# Altium PCB ESP32_Demo.PcbDoc (part 6 of 7) (continued)
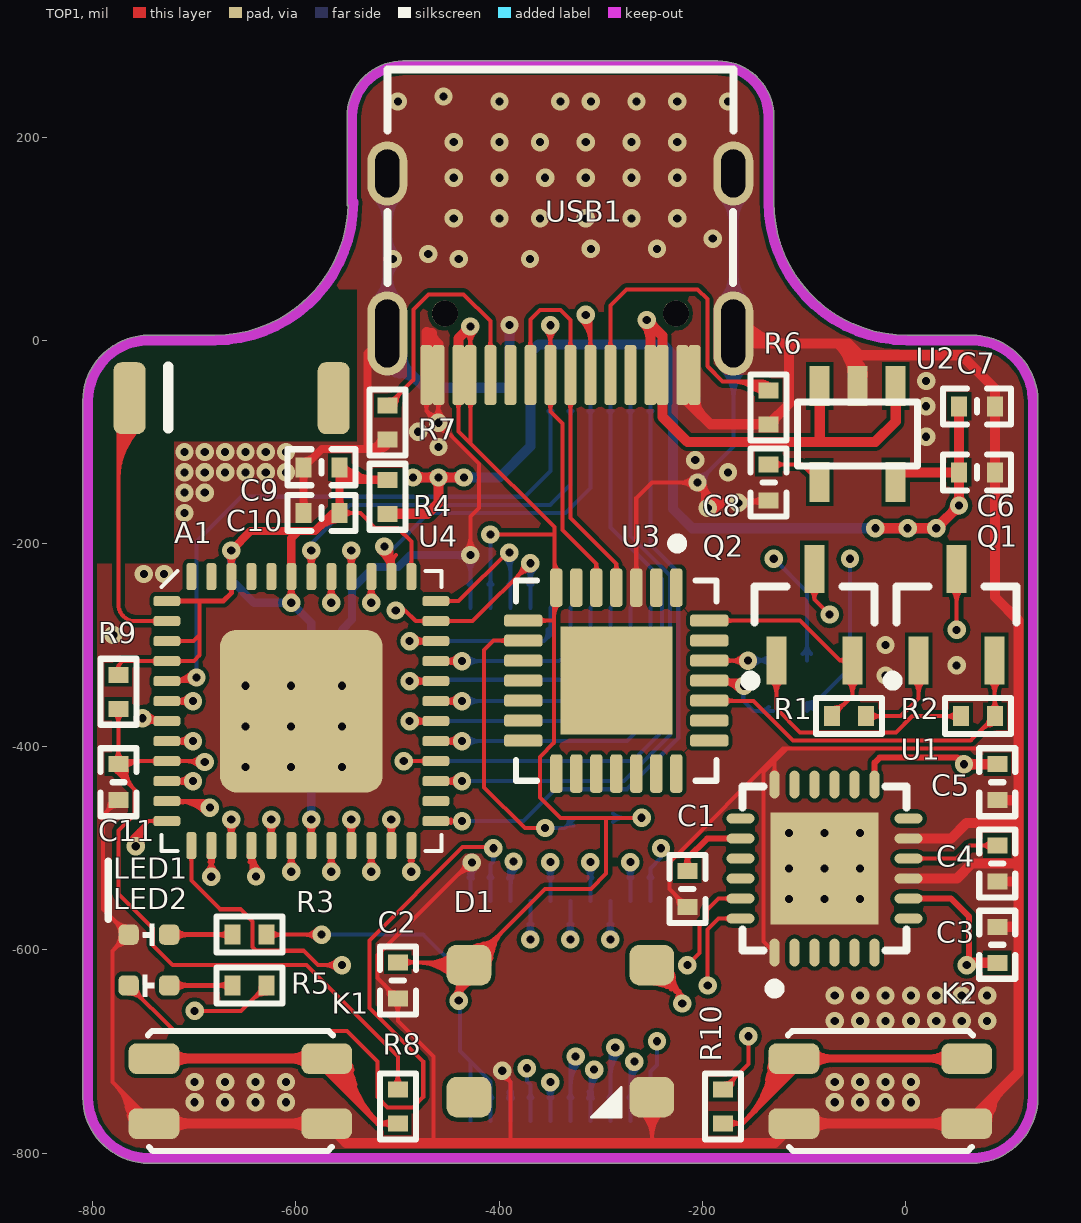
[diagram p0: TOP1 view]
## Nets (pads, with @x,y where several pads share a name; then routed paths per layer and width w, separated by ;. In a path a pad name is that pad's centre, name@x,y a point inside that pad or via, vN(x,y) a via of type N, cw(c..) or ccw(c..) an arc to the next point about the centre after c; other vN are vias at no path point) (continued)
  TOP1 w10: K1.4@-739.77,-707 K1.2@-569.77,-707 ; K1.4@-722.7,-714.07 cw(c-705.63,-731.14) -705.63,-707 ; K1.4@-722.7,-714.07 cw(c-705.63,-731.14) -705.63,-707 ; K1.4@-722.7,-714.07 cw(c-705.63,-731.14) -705.63,-707 ; K1.4@-722.7,-699.93 ccw(c-705.63,-682.86) -705.63,-707 ; K1.4@-722.7,-699.93 ccw(c-705.63,-682.86) -705.63,-707 ; K1.4@-722.7,-699.93 ccw(c-705.63,-682.86) -705.63,-707 ; -603.91,-707 cw(c-603.91,-731.14) K1.2@-586.84,-714.07 ; -603.91,-707 ccw(c-603.91,-682.86) K1.2@-586.84,-699.93 ; -603.91,-707 cw(c-603.91,-731.14) K1.2@-586.84,-714.07 ; -603.91,-707 ccw(c-603.91,-682.86) K1.2@-586.84,-699.93 ; -603.91,-707 cw(c-603.91,-731.14) K1.2@-586.84,-714.07 ; -603.91,-707 ccw(c-603.91,-682.86) K1.2@-586.84,-699.93
NetK2_2: K2.2 K2.4 R10.1 | length 1849
  TOP1 w5: R10.1@-179.77,-770.75 -160.52,-770.75 -109.77,-720 K2.4@-109.77,-707 ; K2.4@-131.7,-710.73 cw(c-140.59,-713.51) -133.47,-719.51 cw(c-128.65,-723.57) K2.4@-125.67,-718.02 ; R10.1@-174,-774.55 cw(c-164.83,-783.73) -164.83,-770.75 ; R10.1@-174,-774.55 cw(c-164.83,-783.73) -164.83,-770.75 ; R10.1@-174,-774.55 cw(c-164.83,-783.73) -164.83,-770.75 ; R10.1@-174,-774.55 cw(c-164.83,-783.73) -164.83,-770.75 ; R10.1@-174,-774.55 cw(c-164.83,-783.73) -164.83,-770.75 ; R10.1@-174,-774.55 cw(c-164.83,-783.73) -164.83,-770.75 ; R10.1@-174,-766.95 ccw(c-164.83,-757.78) -164.83,-770.75 ; R10.1@-174,-766.95 ccw(c-164.83,-757.78) -164.83,-770.75 ; R10.1@-174,-766.95 ccw(c-164.83,-757.78) -164.83,-770.75 ; R10.1@-174,-766.95 ccw(c-164.83,-757.78) -164.83,-770.75 ; R10.1@-174,-766.95 ccw(c-164.83,-757.78) -164.83,-770.75 ; R10.1@-174,-766.95 ccw(c-164.83,-757.78) -164.83,-770.75 ; -157.37,-767.6 ccw(c-217.98,-707) K2.4@-132.27,-707 ; -157.37,-767.6 ccw(c-217.98,-707) K2.4@-132.27,-707 ; -157.37,-767.6 ccw(c-217.98,-707) K2.4@-132.27,-707 ; -148.84,-759.07 ccw(c-200.91,-707) K2.4@-127.27,-707 ; -148.84,-759.07 ccw(c-200.91,-707) K2.4@-127.27,-707 ; -148.84,-759.07 ccw(c-200.91,-707) K2.4@-127.27,-707 ; -140.3,-750.53 ccw(c-183.83,-707) K2.4@-122.27,-707 ; -140.3,-750.53 ccw(c-183.83,-707) K2.4@-122.27,-707 ; -140.3,-750.53 ccw(c-183.83,-707) K2.4@-122.27,-707 ; -136.04,-728.15 cw(c-100.62,-734.46) K2.4@-121.2,-704.95 ; -136.04,-728.15 cw(c-100.62,-734.46) K2.4@-121.2,-704.95 ; -136.04,-728.15 cw(c-100.62,-734.46) K2.4@-121.2,-704.95 ; K2.4@-133.92,-716.27 cw(c-110.38,-720.46) K2.4@-124.06,-700.85 ; K2.4@-133.92,-716.27 cw(c-110.38,-720.46) K2.4@-124.06,-700.85 ; K2.4@-133.92,-716.27 cw(c-110.38,-720.46) K2.4@-124.06,-700.85 ; -131.81,-728.76 cw(c-101.37,-735.11) K2.4@-118.4,-709.09 ; -131.81,-728.76 cw(c-101.37,-735.11) K2.4@-118.4,-709.09 ; -131.81,-728.76 cw(c-101.37,-735.11) K2.4@-118.4,-709.09 ; -131.77,-742 ccw(c-166.76,-707) K2.4@-117.27,-707 ; -131.77,-742 ccw(c-166.76,-707) K2.4@-117.27,-707 ; -131.77,-742 ccw(c-166.76,-707) K2.4@-117.27,-707 ; K2.4@-130.5,-713.41 cw(c-149.31,-724.64) -128.07,-729.99 ; K2.4@-130.5,-713.41 cw(c-149.31,-724.64) -128.07,-729.99 ; K2.4@-130.5,-713.41 cw(c-149.31,-724.64) -128.07,-729.99 ; -127.85,-729.12 cw(c-103.51,-735.26) K2.4@-116.03,-713.5 ; -127.85,-729.12 cw(c-103.51,-735.26) K2.4@-116.03,-713.5 ; -127.85,-729.12 cw(c-103.51,-735.26) K2.4@-116.03,-713.5 ; K2.4@-126.7,-717.4 cw(c-131.94,-725.26) -122.82,-727.7 ; K2.4@-126.7,-717.4 cw(c-131.94,-725.26) -122.82,-727.7 ; K2.4@-126.7,-717.4 cw(c-131.94,-725.26) -122.82,-727.7 ; -123.23,-733.46 ccw(c-149.69,-707) K2.4@-112.27,-707 ; -123.23,-733.46 ccw(c-149.69,-707) K2.4@-112.27,-707 ; -123.23,-733.46 ccw(c-149.69,-707) K2.4@-112.27,-707 ; -122.82,-727.7 cw(c-109.33,-731.32) K2.4@-114.84,-718.49 ; -122.82,-727.7 cw(c-109.33,-731.32) K2.4@-114.84,-718.49 ; -122.82,-727.7 cw(c-109.33,-731.32) K2.4@-114.84,-718.49 ; -114.7,-724.92 ccw(c-132.62,-707) K2.4@-107.27,-707 ; -114.7,-724.92 ccw(c-132.62,-707) K2.4@-107.27,-707 ; -114.7,-724.92 ccw(c-132.62,-707) K2.4@-107.27,-707
  TOP1 w8: K2.4@-109.77,-707 K2.2@60.23,-707 ; K2.4@-91.99,-714.78 cw(c-73.22,-733.56) -73.22,-707 ; K2.4@-91.99,-714.78 cw(c-73.22,-733.56) -73.22,-707 ; K2.4@-91.99,-714.78 cw(c-73.22,-733.56) -73.22,-707 ; K2.4@-91.99,-699.22 ccw(c-73.22,-680.44) -73.22,-707 ; K2.4@-91.99,-699.22 ccw(c-73.22,-680.44) -73.22,-707 ; K2.4@-91.99,-699.22 ccw(c-73.22,-680.44) -73.22,-707 ; 23.67,-707 cw(c23.67,-733.56) K2.2@42.45,-714.78 ; 23.67,-707 ccw(c23.67,-680.44) K2.2@42.45,-699.22 ; 23.67,-707 cw(c23.67,-733.56) K2.2@42.45,-714.78 ; 23.67,-707 ccw(c23.67,-680.44) K2.2@42.45,-699.22 ; 23.67,-707 cw(c23.67,-733.56) K2.2@42.45,-714.78 ; 23.67,-707 ccw(c23.67,-680.44) K2.2@42.45,-699.22
NetLED1_1: LED1.1 R3.1 | length 355.2
  TOP1 w5: LED1.1@-724.77,-585 R3.1@-662.49,-585 ; LED1.1@-719.47,-590.3 cw(c-706.67,-603.11) -706.67,-585 ; LED1.1@-719.47,-590.3 cw(c-706.67,-603.11) -706.67,-585 ; LED1.1@-719.47,-590.3 cw(c-706.67,-603.11) -706.67,-585 ; LED1.1@-719.47,-590.3 cw(c-706.67,-603.11) -706.67,-585 ; LED1.1@-719.47,-590.3 cw(c-706.67,-603.11) -706.67,-585 ; LED1.1@-719.47,-590.3 cw(c-706.67,-603.11) -706.67,-585 ; LED1.1@-719.47,-579.7 ccw(c-706.67,-566.89) -706.67,-585 ; LED1.1@-719.47,-579.7 ccw(c-706.67,-566.89) -706.67,-585 ; LED1.1@-719.47,-579.7 ccw(c-706.67,-566.89) -706.67,-585 ; LED1.1@-719.47,-579.7 ccw(c-706.67,-566.89) -706.67,-585 ; LED1.1@-719.47,-579.7 ccw(c-706.67,-566.89) -706.67,-585 ; LED1.1@-719.47,-579.7 ccw(c-706.67,-566.89) -706.67,-585 ; -675.47,-585 cw(c-675.47,-597.98) R3.1@-666.29,-588.8 ; -675.45,-585 ccw(c-675.45,-572.04) R3.1@-666.29,-581.2 ; -675.47,-585 cw(c-675.47,-597.98) R3.1@-666.29,-588.8 ; -675.45,-585 ccw(c-675.45,-572.04) R3.1@-666.29,-581.2 ; -675.47,-585 cw(c-675.47,-597.98) R3.1@-666.29,-588.8 ; -675.45,-585 ccw(c-675.45,-572.04) R3.1@-666.29,-581.2 ; -675.47,-585 cw(c-675.47,-597.98) R3.1@-666.29,-588.8 ; -675.45,-585 ccw(c-675.45,-572.04) R3.1@-666.29,-581.2 ; -675.47,-585 cw(c-675.47,-597.98) R3.1@-666.29,-588.8 ; -675.45,-585 ccw(c-675.45,-572.04) R3.1@-666.29,-581.2 ; -675.45,-585 ccw(c-675.45,-572.04) R3.1@-666.29,-581.2 ; -675.47,-585 cw(c-675.47,-597.98) R3.1@-666.29,-588.8
NetLED2_2: LED2.2 R5.2 | length 269.9
  TOP1 w5: LED2.2@-724.77,-635 R5.2@-662.49,-635 ; LED2.2@-719.47,-640.3 cw(c-706.67,-653.11) -706.67,-635 ; LED2.2@-719.47,-640.3 cw(c-706.67,-653.11) -706.67,-635 ; LED2.2@-719.47,-640.3 cw(c-706.67,-653.11) -706.67,-635 ; LED2.2@-719.47,-629.7 ccw(c-706.67,-616.89) -706.67,-635 ; LED2.2@-719.47,-629.7 ccw(c-706.67,-616.89) -706.67,-635 ; LED2.2@-719.47,-629.7 ccw(c-706.67,-616.89) -706.67,-635 ; -675.45,-635 cw(c-675.45,-647.96) R5.2@-666.29,-638.8 ; -675.47,-635 ccw(c-675.47,-622.02) R5.2@-666.29,-631.2 ; -675.45,-635 cw(c-675.45,-647.96) R5.2@-666.29,-638.8 ; -675.47,-635 ccw(c-675.47,-622.02) R5.2@-666.29,-631.2 ; -675.45,-635 cw(c-675.45,-647.96) R5.2@-666.29,-638.8 ; -675.47,-635 ccw(c-675.47,-622.02) R5.2@-666.29,-631.2 ; -675.45,-635 cw(c-675.45,-647.96) R5.2@-666.29,-638.8 ; -675.47,-635 ccw(c-675.47,-622.02) R5.2@-666.29,-631.2 ; -675.45,-635 cw(c-675.45,-647.96) R5.2@-666.29,-638.8 ; -675.47,-635 ccw(c-675.47,-622.02) R5.2@-666.29,-631.2 ; -675.47,-635 ccw(c-675.47,-622.02) R5.2@-666.29,-631.2 ; -675.45,-635 cw(c-675.45,-647.96) R5.2@-666.29,-638.8
NetQ1_1: Q1.1 R1.1 | length 319.4
  TOP1 w4: R1.1@-39.02,-370 -4.77,-370 12.83,-352.4 Q1.1@12.83,-315 ; R1.1@-34.87,-374.15 cw(c-24.84,-384.18) -24.84,-370 ; R1.1@-34.87,-374.15 cw(c-24.84,-384.18) -24.84,-370 ; R1.1@-34.87,-374.15 cw(c-24.84,-384.18) -24.84,-370 ; R1.1@-34.87,-374.15 cw(c-24.84,-384.18) -24.84,-370 ; R1.1@-34.87,-374.15 cw(c-24.84,-384.18) -24.84,-370 ; R1.1@-34.87,-374.15 cw(c-24.84,-384.18) -24.84,-370 ; R1.1@-34.87,-365.84 ccw(c-24.84,-355.82) -24.84,-370 ; R1.1@-34.87,-365.84 ccw(c-24.84,-355.82) -24.84,-370 ; R1.1@-34.87,-365.84 ccw(c-24.84,-355.82) -24.84,-370 ; R1.1@-34.87,-365.84 ccw(c-24.84,-355.82) -24.84,-370 ; R1.1@-34.87,-365.84 ccw(c-24.84,-355.82) -24.84,-370 ; R1.1@-34.87,-365.84 ccw(c-24.84,-355.82) -24.84,-370 ; Q1.1@7.28,-334.32 cw(c-6.11,-347.71) 12.83,-347.71 ; Q1.1@7.28,-334.32 cw(c-6.11,-347.71) 12.83,-347.71 ; Q1.1@7.28,-334.32 cw(c-6.11,-347.71) 12.83,-347.71 ; 12.83,-347.71 cw(c31.76,-347.71) Q1.1@18.37,-334.32 ; 12.83,-347.71 cw(c31.76,-347.71) Q1.1@18.37,-334.32 ; 12.83,-347.71 cw(c31.76,-347.71) Q1.1@18.37,-334.32
NetQ2_1: Q2.1 R2.1 | length 557.5
  TOP1 w4: Q2.1@-127.17,-315 -127.17,-362.6 -103.93,-385.84 -9.3,-385.84 6.54,-370 R2.1@54.48,-370 ; Q2.1@-132.72,-334.32 cw(c-146.11,-347.71) -127.17,-347.71 ; Q2.1@-132.72,-334.32 cw(c-146.11,-347.71) -127.17,-347.71 ; Q2.1@-132.72,-334.32 cw(c-146.11,-347.71) -127.17,-347.71 ; Q2.1@-132.72,-334.32 cw(c-146.11,-347.71) -127.17,-347.71 ; Q2.1@-132.72,-334.32 cw(c-146.11,-347.71) -127.17,-347.71 ; Q2.1@-132.72,-334.32 cw(c-146.11,-347.71) -127.17,-347.71 ; -127.17,-347.71 cw(c-108.24,-347.71) Q2.1@-121.63,-334.32 ; -127.17,-347.71 cw(c-108.24,-347.71) Q2.1@-121.63,-334.32 ; -127.17,-347.71 cw(c-108.24,-347.71) Q2.1@-121.63,-334.32 ; -127.17,-347.71 cw(c-108.24,-347.71) Q2.1@-121.63,-334.32 ; -127.17,-347.71 cw(c-108.24,-347.71) Q2.1@-121.63,-334.32 ; -127.17,-347.71 cw(c-108.24,-347.71) Q2.1@-121.63,-334.32 ; 40.3,-370 cw(c40.3,-384.18) R2.1@50.32,-374.16 ; 40.3,-370 ccw(c40.3,-355.82) R2.1@50.32,-365.85 ; 40.3,-370 cw(c40.3,-384.18) R2.1@50.32,-374.16 ; 40.3,-370 ccw(c40.3,-355.82) R2.1@50.32,-365.85 ; 40.3,-370 cw(c40.3,-384.18) R2.1@50.32,-374.16 ; 40.3,-370 ccw(c40.3,-355.82) R2.1@50.32,-365.85 ; 40.3,-370 cw(c40.3,-384.18) R2.1@50.32,-374.16 ; 40.3,-370 ccw(c40.3,-355.82) R2.1@50.32,-365.85 ; 40.3,-370 cw(c40.3,-384.18) R2.1@50.32,-374.16 ; 40.3,-370 ccw(c40.3,-355.82) R2.1@50.32,-365.85 ; 40.3,-370 ccw(c40.3,-355.82) R2.1@50.32,-365.85 ; 40.3,-370 cw(c40.3,-384.18) R2.1@50.32,-374.16
NetR6_1: R6.1 USB1.A5 | length 934.6
  TOP1 w4: USB1.A5@-290.56,-34.21 -290.56,34.21 -274.77,50 -204.77,50 -195.18,40.41 -195.18,-25.56 -180.14,-40.61 -143.42,-40.61 ; -145.64,-44.11 cw(c-144.77,-58.32) R6.1@-135.34,-47.66 ; R6.1@-134.78,-49.25 -143.42,-40.61 ; USB1.A5@-293.32,-7.83 ccw(c-299.99,-1.16) -290.56,-1.16 ; USB1.A5@-293.32,-7.83 ccw(c-299.99,-1.16) -290.56,-1.16 ; USB1.A5@-293.32,-7.83 ccw(c-299.99,-1.16) -290.56,-1.16 ; USB1.A5@-293.32,-7.83 ccw(c-299.99,-1.16) -290.56,-1.16 ; USB1.A5@-293.32,-7.83 ccw(c-299.99,-1.16) -290.56,-1.16 ; USB1.A5@-293.32,-7.83 ccw(c-299.99,-1.16) -290.56,-1.16 ; -290.56,-1.16 ccw(c-281.13,-1.16) USB1.A5@-287.8,-7.83 ; -290.56,-1.16 ccw(c-281.13,-1.16) USB1.A5@-287.8,-7.83 ; -290.56,-1.16 ccw(c-281.13,-1.16) USB1.A5@-287.8,-7.83 ; -290.56,-1.16 ccw(c-281.13,-1.16) USB1.A5@-287.8,-7.83 ; -290.56,-1.16 ccw(c-281.13,-1.16) USB1.A5@-287.8,-7.83 ; -290.56,-1.16 ccw(c-281.13,-1.16) USB1.A5@-287.8,-7.83 ; -171.79,-40.61 cw(c-171.79,-84.3) R6.1@-140.9,-53.4 ; -171.79,-40.61 cw(c-171.79,-84.3) R6.1@-140.9,-53.4 ; -171.79,-40.61 cw(c-171.79,-84.3) R6.1@-140.9,-53.4 ; -162.13,-40.61 cw(c-162.13,-74.64) R6.1@-138.07,-50.57 ; -162.13,-40.61 cw(c-162.13,-74.64) R6.1@-138.07,-50.57 ; -162.13,-40.61 cw(c-162.13,-74.64) R6.1@-138.07,-50.57 ; -153.04,-45.28 ccw(c-147.14,-36.47) R6.1@-140.45,-44.69 ; -153.04,-45.28 ccw(c-147.14,-36.47) R6.1@-140.45,-44.69 ; -153.04,-45.28 ccw(c-147.14,-36.47) R6.1@-140.45,-44.69 ; -152.48,-40.61 cw(c-152.48,-64.98) R6.1@-135.24,-47.75 ; -152.48,-40.61 cw(c-152.48,-64.98) R6.1@-135.24,-47.75 ; -152.48,-40.61 cw(c-152.48,-64.98) R6.1@-135.24,-47.75 ; -152.42,-42.29 ccw(c-143.97,-27.66) R6.1@-138.61,-43.68 ; -152.42,-42.29 ccw(c-143.97,-27.66) R6.1@-138.61,-43.68 ; -152.42,-42.29 ccw(c-143.97,-27.66) R6.1@-138.61,-43.68 ; -148.54,-48.29 ccw(c-143.57,-40.86) R6.1@-137.93,-47.79 ; -148.54,-48.29 ccw(c-143.57,-40.86) R6.1@-137.93,-47.79 ; -148.54,-48.29 ccw(c-143.57,-40.86) R6.1@-137.93,-47.79 ; -147.19,-40.84 cw(c-151.78,-48.78) R6.1@-142.62,-49.07 ; -147.19,-40.84 cw(c-151.78,-48.78) R6.1@-142.62,-49.07 ; -147.19,-40.84 cw(c-151.78,-48.78) R6.1@-142.62,-49.07 ; -146.15,-45.91 cw(c-150.15,-52.84) R6.1@-142.42,-50.77 ; -146.15,-45.91 cw(c-150.15,-52.84) R6.1@-142.42,-50.77 ; -146.15,-45.91 cw(c-150.15,-52.84) R6.1@-142.42,-50.77 ; -144.73,-46.73 ccw(c-140.21,-38.9) R6.1@-137.34,-47.47 ; -144.73,-46.73 ccw(c-140.21,-38.9) R6.1@-137.34,-47.47 ; -144.73,-46.73 ccw(c-140.21,-38.9) R6.1@-137.34,-47.47 ; R6.1@-143.71,-42.86 ccw(c-140.12,-36.65) R6.1@-138.26,-43.57 ; R6.1@-143.71,-42.86 ccw(c-140.12,-36.65) R6.1@-138.26,-43.57 ; R6.1@-143.71,-42.86 ccw(c-140.12,-36.65) R6.1@-138.26,-43.57 ; -143.42,-40.61 cw(c-147.54,-44.73) R6.1@-142.16,-46.98 ; -143.41,-40.61 ccw(c-136.74,-33.95) R6.1@-136.74,-43.37 ; -143.42,-40.61 cw(c-147.54,-44.73) R6.1@-142.16,-46.98 ; -143.41,-40.61 ccw(c-136.74,-33.95) R6.1@-136.74,-43.37 ; -143.42,-40.61 cw(c-147.54,-44.73) R6.1@-142.16,-46.98 ; -143.41,-40.61 ccw(c-136.74,-33.95) R6.1@-136.74,-43.37 ; -142.82,-40.61 cw(c-142.82,-55.32) R6.1@-132.41,-44.92 ; -142.82,-40.61 cw(c-142.82,-55.32) R6.1@-132.41,-44.92 ; -142.82,-40.61 cw(c-142.82,-55.32) R6.1@-132.41,-44.92
NetR7_1: R7.1 USB1.B5 | length 458.1
  TOP1 w4: R7.1@-509.78,-64.25 -484.36,-38.84 -484.36,30.41 -469.56,45.21 -434.98,45.21 -408.67,18.9 USB1.B5@-408.67,-34.21 ; R7.1@-507.81,-58.37 ccw(c-507.81,-48.95) -501.14,-55.61 ; R7.1@-507.81,-58.37 ccw(c-507.81,-48.95) -501.14,-55.61 ; R7.1@-507.81,-58.37 ccw(c-507.81,-48.95) -501.14,-55.61 ; R7.1@-507.16,-66.27 ccw(c-510.16,-56.89) R7.1@-500.64,-59.44 ; R7.1@-507.16,-66.27 ccw(c-510.16,-56.89) R7.1@-500.64,-59.44 ; R7.1@-507.16,-66.27 ccw(c-510.16,-56.89) R7.1@-500.64,-59.44 ; R7.1@-505.93,-64.25 cw(c-496.66,-64.25) R7.1@-503.22,-57.69 ; R7.1@-505.93,-64.25 cw(c-496.66,-64.25) R7.1@-503.22,-57.69 ; R7.1@-505.93,-64.25 cw(c-496.66,-64.25) R7.1@-503.22,-57.69 ; R7.1@-501.93,-64.25 cw(c-483,-64.25) -496.39,-50.86 ; R7.1@-501.93,-64.25 cw(c-483,-64.25) -496.39,-50.86 ; R7.1@-501.93,-64.25 cw(c-483,-64.25) -496.39,-50.86 ; USB1.B5@-411.43,-7.83 ccw(c-418.1,-1.16) -408.67,-1.16 ; USB1.B5@-411.43,-7.83 ccw(c-418.1,-1.16) -408.67,-1.16 ; USB1.B5@-411.43,-7.83 ccw(c-418.1,-1.16) -408.67,-1.16 ; USB1.B5@-411.43,-7.83 ccw(c-418.1,-1.16) -408.67,-1.16 ; USB1.B5@-411.43,-7.83 ccw(c-418.1,-1.16) -408.67,-1.16 ; USB1.B5@-411.43,-7.83 ccw(c-418.1,-1.16) -408.67,-1.16 ; -408.67,-1.16 ccw(c-399.24,-1.16) USB1.B5@-405.91,-7.83 ; -408.67,-1.16 ccw(c-399.24,-1.16) USB1.B5@-405.91,-7.83 ; -408.67,-1.16 ccw(c-399.24,-1.16) USB1.B5@-405.91,-7.83 ; -408.67,-1.16 ccw(c-399.24,-1.16) USB1.B5@-405.91,-7.83 ; -408.67,-1.16 ccw(c-399.24,-1.16) USB1.B5@-405.91,-7.83 ; -408.67,-1.16 ccw(c-399.24,-1.16) USB1.B5@-405.91,-7.83
NetR11_1: R11.1 U3.9 | length 428.4
  TOP1 w4: U3.9@-376.27,-295.63 -405.4,-295.63 -414.77,-305 -414.77,-440 -374.77,-480 v1(-354.77,-480) ; -398.93,-295.63 cw(c-398.93,-305.29) U3.9@-392.1,-298.46 ; -398.93,-295.63 ccw(c-398.93,-285.97) U3.9@-392.1,-292.8 ; -398.93,-295.63 cw(c-398.93,-305.29) U3.9@-392.1,-298.46 ; -398.93,-295.63 ccw(c-398.93,-285.97) U3.9@-392.1,-292.8 ; -398.93,-295.63 cw(c-398.93,-305.29) U3.9@-392.1,-298.46 ; -398.93,-295.63 ccw(c-398.93,-285.97) U3.9@-392.1,-292.8 ; -398.93,-295.63 cw(c-398.93,-305.29) U3.9@-392.1,-298.46 ; -398.93,-295.63 ccw(c-398.93,-285.97) U3.9@-392.1,-292.8 ; -398.93,-295.63 cw(c-398.93,-305.29) U3.9@-392.1,-298.46 ; -398.93,-295.63 ccw(c-398.93,-285.97) U3.9@-392.1,-292.8 ; -398.93,-295.63 ccw(c-398.93,-285.97) U3.9@-392.1,-292.8 ; -398.93,-295.63 cw(c-398.93,-305.29) U3.9@-392.1,-298.46
  BOTTOM4 w4: v1(-354.77,-480) -335.53,-480 ; R11.1@-325.52,-470 -335.53,-480 ; -335.53,-480 cw(c-329.2,-486.33) R11.1@-326.98,-477.66 ; -335.53,-480 cw(c-329.2,-486.33) R11.1@-326.98,-477.66 ; -335.53,-480 cw(c-329.2,-486.33) R11.1@-326.98,-477.66 ; -334.16,-478.63 ccw(c-340.83,-471.97) R11.1@-331.4,-471.97 ; -334.16,-478.63 ccw(c-340.83,-471.97) R11.1@-331.4,-471.97 ; -334.16,-478.63 ccw(c-340.83,-471.97) R11.1@-331.4,-471.97
NetR12_1: R12.1 U3.25 | length 441
  TOP1 w4: U3.25@-193.27,-335 -164.77,-335 -159.77,-340 v1@-152,-340 ; U3.25@-187.97,-335 cw(c-187.97,-368.97) v1@-163.95,-344.95 ; U3.25@-178.31,-335 cw(c-178.31,-359.31) v1@-161.12,-342.12 ; -172,-336.69 cw(c-169.94,-329.04) U3.25@-176.81,-333 ; -168.66,-335 cw(c-168.66,-349.66) v1@-158.29,-339.29 ; U3.25@-177.44,-337.83 cw(c-170.62,-344.66) -170.62,-335 ; U3.25@-177.44,-337.83 cw(c-170.62,-344.66) -170.62,-335 ; U3.25@-177.44,-337.83 cw(c-170.62,-344.66) -170.62,-335 ; U3.25@-177.44,-337.83 cw(c-170.62,-344.66) -170.62,-335 ; U3.25@-177.44,-337.83 cw(c-170.62,-344.66) -170.62,-335 ; U3.25@-177.44,-337.83 cw(c-170.62,-344.66) -170.62,-335 ; U3.25@-177.44,-332.17 ccw(c-170.62,-325.34) -170.62,-335 ; U3.25@-177.44,-332.17 ccw(c-170.62,-325.34) -170.62,-335 ; U3.25@-177.44,-332.17 ccw(c-170.62,-325.34) -170.62,-335 ; U3.25@-177.44,-332.17 ccw(c-170.62,-325.34) -170.62,-335 ; U3.25@-177.44,-332.17 ccw(c-170.62,-325.34) -170.62,-335 ; U3.25@-177.44,-332.17 ccw(c-170.62,-325.34) -170.62,-335 ; U3.25@-176.81,-333 ccw(c-170.28,-329.23) -172.23,-336.51 ; U3.25@-176.81,-333 ccw(c-170.28,-329.23) -172.23,-336.51 ; U3.25@-176.81,-333 ccw(c-170.28,-329.23) -172.23,-336.51 ; U3.25@-176.81,-333 ccw(c-170.28,-329.23) -172.23,-336.51 ; U3.25@-176.81,-333 ccw(c-170.28,-329.23) -172.23,-336.51 ; U3.25@-176.81,-333 ccw(c-170.28,-329.23) -172.23,-336.51 ; U3.25@-176.81,-333 ccw(c-170.28,-329.23) -172.23,-336.51 ; U3.25@-176.81,-333 ccw(c-170.28,-329.23) -172.23,-336.51 ; U3.25@-176.81,-333 ccw(c-170.28,-329.23) -172.23,-336.51
  BOTTOM4 w4: v1@-152,-340 -159.77,-340 -159.77,-355 -149.78,-365 R12.1@-130.52,-365 ; -144.7,-365 cw(c-144.7,-379.18) R12.1@-134.68,-369.15 ; -144.7,-365 ccw(c-144.7,-350.82) R12.1@-134.68,-360.84 ; -144.7,-365 cw(c-144.7,-379.18) R12.1@-134.68,-369.15 ; -144.7,-365 ccw(c-144.7,-350.82) R12.1@-134.68,-360.84 ; -144.7,-365 cw(c-144.7,-379.18) R12.1@-134.68,-369.15 ; -144.7,-365 ccw(c-144.7,-350.82) R12.1@-134.68,-360.84 ; -144.7,-365 cw(c-144.7,-379.18) R12.1@-134.68,-369.15 ; -144.7,-365 ccw(c-144.7,-350.82) R12.1@-134.68,-360.84 ; -144.7,-365 cw(c-144.7,-379.18) R12.1@-134.68,-369.15 ; -144.7,-365 ccw(c-144.7,-350.82) R12.1@-134.68,-360.84 ; -144.7,-365 ccw(c-144.7,-350.82) R12.1@-134.68,-360.84 ; -144.7,-365 cw(c-144.7,-379.18) R12.1@-134.68,-369.15
  other v1: -159,-340
NetR13_1: R13.1 U3.26 | length 228.8
  TOP1 w4: U3.26@-193.27,-315.32 v1(-155.09,-315.32) ; v1@-160.04,-320.26 ccw(c-171.99,-332.21) -171.99,-315.32 ccw(c-171.99,-298.42) v1@-160.04,-310.37 ; U3.26@-177.44,-318.14 cw(c-170.62,-324.97) -170.62,-315.32 ; U3.26@-177.44,-318.14 cw(c-170.62,-324.97) -170.62,-315.32 ; U3.26@-177.44,-318.14 cw(c-170.62,-324.97) -170.62,-315.32 ; U3.26@-177.44,-318.14 cw(c-170.62,-324.97) -170.62,-315.32 ; U3.26@-177.44,-318.14 cw(c-170.62,-324.97) -170.62,-315.32 ; U3.26@-177.44,-318.14 cw(c-170.62,-324.97) -170.62,-315.32 ; U3.26@-177.44,-312.49 ccw(c-170.62,-305.66) -170.62,-315.32 ; U3.26@-177.44,-312.49 ccw(c-170.62,-305.66) -170.62,-315.32 ; U3.26@-177.44,-312.49 ccw(c-170.62,-305.66) -170.62,-315.32 ; U3.26@-177.44,-312.49 ccw(c-170.62,-305.66) -170.62,-315.32 ; U3.26@-177.44,-312.49 ccw(c-170.62,-305.66) -170.62,-315.32 ; U3.26@-177.44,-312.49 ccw(c-170.62,-305.66) -170.62,-315.32
  BOTTOM4 w4: v1@-154.77,-315 R13.1@-130.52,-315 ; v1@-150.14,-320.26 cw(c-137.42,-332.98) R13.1@-137.42,-315 ; v1@-150.14,-310.37 ccw(c-138.96,-299.18) -138.96,-315 ; R13.1@-134.68,-319.15 ccw(c-144.7,-329.18) -144.7,-315 ccw(c-144.7,-300.82) R13.1@-134.68,-310.84
RTS: Q1.2 R2.2 U3.24 | length 727.3
  TOP1 w4: U3.24@-193.27,-354.68 -192.96,-355 -149.77,-355 -110.93,-393.84 64.1,-393.84 R2.2@87.94,-370 ; R2.2@87.63,-369.69 Q1.2@87.63,-315 ; U3.24@-177.44,-357.51 cw(c-171.38,-363.58) -171.38,-355 ; U3.24@-177.44,-357.51 cw(c-171.38,-363.58) -171.38,-355 ; U3.24@-177.44,-357.51 cw(c-171.38,-363.58) -171.38,-355 ; U3.24@-177.44,-357.51 cw(c-170.62,-364.34) -170.62,-354.68 ; U3.24@-177.44,-357.51 cw(c-170.62,-364.34) -170.62,-354.68 ; U3.24@-177.44,-357.51 cw(c-170.62,-364.34) -170.62,-354.68 ; U3.24@-177.44,-351.86 ccw(c-169.86,-344.27) -169.86,-355 ; U3.24@-177.44,-351.86 ccw(c-169.86,-344.27) -169.86,-355 ; U3.24@-177.44,-351.86 ccw(c-169.86,-344.27) -169.86,-355 ; U3.24@-177.44,-351.86 ccw(c-170.62,-345.03) -170.62,-354.68 ; U3.24@-177.44,-351.86 ccw(c-170.62,-345.03) -170.62,-354.68 ; U3.24@-177.44,-351.86 ccw(c-170.62,-345.03) -170.62,-354.68 ; 74.55,-383.39 cw(c87.94,-396.78) R2.2@87.94,-377.85 ; 74.55,-383.39 cw(c87.94,-396.78) R2.2@87.94,-377.85 ; 74.55,-383.39 cw(c87.94,-396.78) R2.2@87.94,-377.85 ; 79.31,-378.64 ccw(c72.64,-371.97) R2.2@82.07,-371.97 ; 79.31,-378.64 ccw(c72.64,-371.97) R2.2@82.07,-371.97 ; 79.31,-378.64 ccw(c72.64,-371.97) R2.2@82.07,-371.97 ; R2.2@81.38,-376.56 cw(c87.94,-383.12) R2.2@87.94,-373.85 ; R2.2@81.38,-376.56 cw(c87.94,-383.12) R2.2@87.94,-373.85 ; R2.2@81.38,-376.56 cw(c87.94,-383.12) R2.2@87.94,-373.85 ; Q1.2@82.08,-334.32 cw(c68.7,-347.71) 87.63,-347.71 ; Q1.2@82.08,-334.32 cw(c68.7,-347.71) 87.63,-347.71 ; Q1.2@82.08,-334.32 cw(c68.7,-347.71) 87.63,-347.71 ; R2.2@83.13,-379.13 ccw(c80.58,-369.62) R2.2@89.97,-372.62 ; R2.2@83.13,-379.13 ccw(c80.58,-369.62) R2.2@89.97,-372.62 ; R2.2@83.13,-379.13 ccw(c80.58,-369.62) R2.2@89.97,-372.62 ; R2.2@83.79,-363.88 ccw(c74.51,-354.61) 87.63,-354.61 ; R2.2@83.79,-363.88 ccw(c74.51,-354.61) 87.63,-354.61 ; R2.2@83.79,-363.88 ccw(c74.51,-354.61) 87.63,-354.61 ; 87.63,-353.1 ccw(c102.87,-353.1) R2.2@92.09,-363.88 ; 87.63,-353.1 ccw(c102.87,-353.1) R2.2@92.09,-363.88 ; 87.63,-353.1 ccw(c102.87,-353.1) R2.2@92.09,-363.88 ; 87.63,-347.71 cw(c106.56,-347.71) Q1.2@93.17,-334.32 ; 87.63,-347.71 cw(c106.56,-347.71) Q1.2@93.17,-334.32 ; 87.63,-347.71 cw(c106.56,-347.71) Q1.2@93.17,-334.32